# Altium PCB MOTHER_BOARD_LS1021_v1.0.PcbDoc (part 5 of 15)
Units mm, origin at the board's own origin, x right, y up, seen from the top; angles counter-clockwise.
Board outline 285 x 90.6 mm, 10 copper layers (TOP, GND1, SIGNAL1, GND+PWR1, POWER1, POWER2, GND+PWR2, SIGNAL2, GND2, BOTTOM), stack 1.739 mm thick; 1099 components, 832 nets, 4657 pads, 2737 vias.
Unrouted connection lines stored in the file: 7.
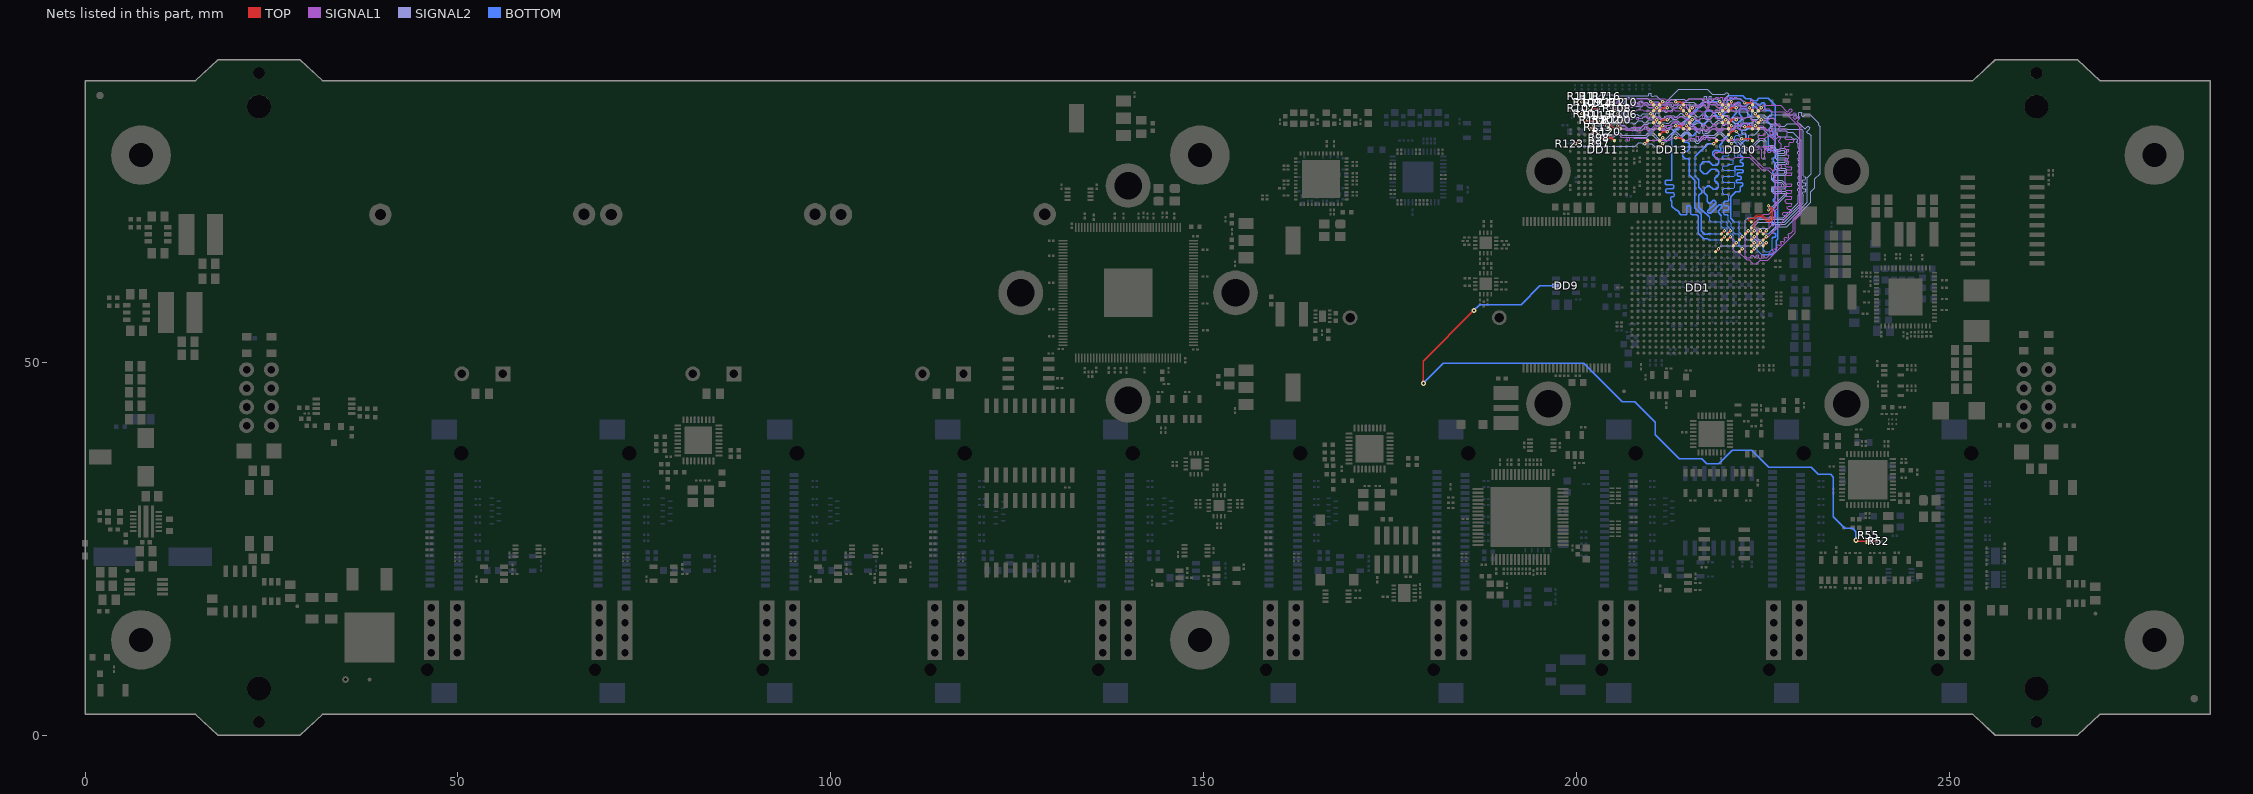
[diagram p13: the nets of this part, all layers, seen from the top]

## Via types
v1: diameter 0.45, hole 0.2, TOP to BOTTOM, tented both sides, 1587 vias
v2: diameter 0.7, hole 0.3, TOP to BOTTOM, tented both sides, 1134 vias
v3: diameter 0.45, hole 0.2, TOP to BOTTOM, tented bottom, 16 vias

## Nets (pads, with @x,y where several pads share a name; then routed paths per layer and width w, separated by ;. In a path a pad name is that pad's centre, name@x,y a point inside that pad or via, vN(x,y) a via of type N, cw(c..) or ccw(c..) an arc to the next point about the centre after c; other vN are vias at no path point) (continued)
DDR_A3: DD1.AC20 DD10.N2 DD11.N2 DD13.N2 R106.1 | length 63.1
  TOP w0.196: DD11.N2@205.9,82.15 v1(206.3,82.55) ; DD13.N2@215.15,82.15 v1(215.55,82.55) ; DD10.N2@224.4,82.15 v1(224.8,82.55) ; DD1.AC20@225.05,66.45 v1(225.45,66.85)
  SIGNAL1 w0.113: v1(206.3,82.55) 207.304,82.55 207.535,82.781 207.997,82.781 208.059,82.719 208.059,82.644 208.122,82.581 208.31,82.581 208.372,82.644 208.372,82.719 208.435,82.781 208.842,82.781 208.992,82.931 209.308,82.931 209.565,82.675 210.275,82.675 210.531,82.931 210.908,82.931 211.139,82.7 211.81,82.7 212.042,82.931 212.429,82.931 212.491,82.994 212.491,83.054 212.554,83.116 212.742,83.116 212.804,83.054 212.804,82.846 212.867,82.784 213.055,82.784 213.117,82.846 213.117,82.869 213.18,82.931 213.382,82.931 213.493,82.82 213.681,82.82 213.792,82.931 214.243,82.931 214.625,82.55 v1(215.55,82.55) 215.65,82.55 215.85,82.75 215.975,82.75 216.175,82.55 216.45,82.55 216.681,82.781 216.856,82.781 216.944,82.869 216.944,83.1 217.019,83.175 217.125,83.175 217.18,83.119 217.18,82.819 217.3,82.7 217.55,82.7 217.605,82.755 217.744,82.755 217.85,82.65 217.95,82.65 218.3,83 218.65,83 218.712,82.937 218.712,82.777 218.815,82.675 219.55,82.675 219.625,82.75 219.625,82.925 219.7,83 220.225,83 220.357,82.868 220.357,82.732 220.414,82.675 220.726,82.675 220.876,82.525 220.975,82.525 221.068,82.618 221.068,82.708 221.335,82.975 221.564,82.975 221.801,82.738 221.912,82.738 221.974,82.8 222.25,82.8 222.375,82.675 222.5,82.675 222.625,82.8 222.779,82.8 222.904,82.925 223.19,82.925 223.433,82.682 223.433,82.542 223.5,82.475 224.116,82.475 224.291,82.3 224.475,82.3 224.725,82.55 v1(224.8,82.55) 225.8,82.55 226.075,82.825 226.364,82.825 226.725,82.465 226.725,82.25 226.45,81.975 226.45,81.85 226.6,81.7 226.75,81.7 227.032,81.982 227.207,81.982 227.357,81.832 227.357,81.632 227.075,81.35 227.075,81.25 227.275,81.05 227.375,81.05 227.645,81.32 227.87,81.32 228.3,80.89 228.3,80.477 227.975,80.152 227.975,80 228.05,79.925 228.975,79.925 229.125,79.775 229.125,79.6 229.025,79.5 228.631,79.5 228.506,79.375 228.506,79.056 228.425,78.975 228.025,78.975 227.95,78.9 227.95,78.65 228.025,78.575 228.375,78.575 228.455,78.494 228.455,78.3 228.38,78.225 228.05,78.225 227.975,78.15 227.975,77.925 228.05,77.85 228.355,77.85 228.437,77.768 228.437,77.763 228.455,77.745 228.455,77.475 228.38,77.4 228.05,77.4 227.975,77.325 227.975,77.1 228.05,77.025 228.355,77.025 228.455,76.925 228.455,76.754 228.455,76.675 228.38,76.6 228.05,76.6 227.975,76.525 227.975,76.3 228.05,76.225 228.825,76.225 228.9,76.15 228.9,75.9 228.825,75.825 228.05,75.825 227.975,75.75 227.975,75.525 228.05,75.45 228.85,75.45 228.9,75.4 228.9,75.15 228.85,75.1 228.1,75.1 227.975,74.975 227.975,74.075 228.05,74 228.825,74 228.9,73.925 228.9,73.675 228.825,73.6 228.05,73.6 227.975,73.525 227.975,73.2 228.05,73.125 228.825,73.125 228.9,73.05 228.9,72.8 228.825,72.725 228.05,72.725 227.975,72.65 227.975,72.35 228.05,72.275 228.825,72.275 228.9,72.2 228.9,71.95 228.825,71.875 228.125,71.875 227.975,71.725 227.975,71.525 228.15,71.35 228.8,71.35 228.875,71.275 228.875,71.05 228.8,70.975 228.375,70.975 228.3,70.9 228.3,70.65 228.375,70.575 228.775,70.575 228.85,70.5 228.85,70.25 228.775,70.175 227.966,70.175 227.96,70.168 227.825,70.168 227.675,70.018 227.675,69.825 227.775,69.725 228.05,69.725 228.15,69.625 228.15,69.425 227.475,68.75 227.475,68.6 225.725,66.85 v1(225.45,66.85)
  BOTTOM w0.196: v1(206.3,82.55) R106.1@206.3,83
DDR_A4: DD1.AA20 DD10.P8 DD11.P8 DD13.P8 R107.1 | length 60.2
  TOP w0.196: v1(200.7,83.35) DD11.P8@201.1,82.95 ; v1(209.95,83.35) DD13.P8@210.35,82.95 ; v1(219.2,83.35) DD10.P8@219.6,82.95 ; DD1.AA20@223.45,66.45 v1(223.85,66.85)
  SIGNAL2 w0.113: v1(200.7,83.35) 201.725,83.35 202.106,82.968 202.458,82.968 202.564,83.075 202.805,83.075 202.867,83.012 202.867,82.922 202.93,82.859 203.118,82.859 203.18,82.922 203.18,83.075 203.243,83.137 203.431,83.137 203.493,83.075 203.81,83.075 203.917,82.968 204.243,82.968 204.575,83.3 205.01,83.3 205.342,82.968 205.658,82.968 206.015,83.325 206.585,83.325 206.942,82.968 207.258,82.968 207.564,83.275 208.185,83.275 208.342,83.118 208.658,83.118 208.889,83.35 v1(209.95,83.35) 210.118,83.518 210.25,83.518 210.35,83.418 210.35,83.225 210.43,83.144 210.569,83.144 210.65,83.225 210.65,83.443 210.725,83.518 210.956,83.518 211.125,83.35 211.125,83.026 211.376,82.775 211.725,82.775 211.85,82.9 211.85,83 211.95,83.1 213.035,83.1 213.235,82.9 213.415,82.9 213.964,83.45 214.11,83.45 214.592,82.968 214.908,82.968 215.414,83.475 215.685,83.475 216.192,82.968 216.508,82.968 216.914,83.375 217.21,83.375 217.617,82.968 217.943,82.968 218.5,83.525 219.025,83.525 v1(219.2,83.35)
  BOTTOM w0.149: v1(223.85,66.85) 223.85,66.65 224.25,66.25 224.25,65.081 224.856,64.475 224.94,64.475
  BOTTOM w0.196: v1(200.7,83.35) R107.1@200.7,83.825 ; v1(219.2,83.35) 219.2,84.075 219.775,84.65 219.775,85.1 220.425,85.75 222.3,85.75 222.712,85.337 223.366,85.337 223.577,85.127 224.175,85.127 224.448,85.4 225.75,85.4 226.673,84.477 226.673,79.325 226.6,79.252 226.6,78.75 227.025,78.325 227.025,66.605 226.775,66.355 226.775,65 226.25,64.475 224.94,64.475
DDR_A5: DD1.W20 DD10.P2 DD11.P2 DD13.P2 R108.1 | length 60.3
  TOP w0.196: v1(205.5,83.35) DD11.P2@205.9,82.95 ; v1(214.75,83.35) DD13.P2@215.15,82.95 ; DD1.W20@221.85,66.45 v1(222.25,66.85) ; v1(224,83.35) DD10.P2@224.4,82.95
  SIGNAL1 w0.113: v1(205.5,83.35) 205.705,83.555 206.73,83.555 206.906,83.731 207.258,83.731 207.371,83.618 207.908,83.618 208.171,83.881 208.85,83.881 209,83.731 210.952,83.731 211.014,83.794 211.014,83.829 211.077,83.891 211.265,83.891 211.327,83.829 211.327,83.794 211.39,83.731 211.578,83.731 211.64,83.794 211.64,83.811 211.703,83.873 211.891,83.873 211.953,83.811 211.953,83.672 212.016,83.609 212.204,83.609 212.266,83.672 212.266,83.731 212.324,83.789 212.522,83.789 212.579,83.731 212.579,83.672 212.642,83.609 212.83,83.609 212.892,83.672 212.892,83.828 212.955,83.891 213.143,83.891 213.205,83.828 213.205,83.794 213.268,83.731 214.368,83.731 v1(214.75,83.35) 215.81,83.35 216.235,83.775 216.6,83.775 216.756,83.618 217.193,83.618 217.306,83.731 217.978,83.731 217.988,83.742 217.988,83.731 218.051,83.794 218.239,83.794 218.301,83.731 218.301,83.521 218.364,83.459 218.552,83.459 218.614,83.521 218.614,83.804 218.677,83.867 218.865,83.867 218.927,83.804 218.927,83.794 218.99,83.731 219.178,83.731 219.24,83.794 219.24,83.929 219.303,83.991 219.491,83.991 219.553,83.929 219.553,83.521 219.616,83.459 219.804,83.459 219.866,83.521 219.866,83.669 219.929,83.731 220.117,83.731 220.179,83.669 220.179,83.596 220.242,83.534 220.43,83.534 220.492,83.596 220.492,83.979 220.555,84.041 220.743,84.041 220.805,83.979 220.805,83.794 220.868,83.731 221.6,83.731 221.743,83.875 222.85,83.875 222.993,83.731 223.618,83.731 v1(224,83.35)
  BOTTOM w0.149: 221.05,68.975 221.175,68.85 221.65,68.85 221.85,68.65 221.85,68.286 221.72,68.155 221.72,67.98 221.85,67.85 221.85,67.485 222.25,67.085 v1(222.25,66.85)
  BOTTOM w0.196: v1(205.5,83.35) R108.1@205.5,83.825 ; 221.05,68.975 220.702,69.323 220.702,72.227 221.375,72.9 221.825,72.9 221.95,73.025 221.95,73.504 222.084,73.638 222.197,73.638 222.331,73.772 222.331,73.95 222.197,74.084 221.55,74.084 221.416,74.218 221.416,74.396 221.55,74.53 221.97,74.53 222.104,74.664 222.104,74.842 221.97,74.976 221.705,74.976 221.571,75.11 221.571,75.288 221.705,75.422 222.247,75.422 222.381,75.556 222.381,75.734 222.247,75.868 221.391,75.868 221.257,76.002 221.257,76.18 221.391,76.314 222.247,76.314 222.381,76.448 222.381,76.626 222.247,76.76 222.084,76.76 221.95,76.894 221.95,77.072 222.084,77.206 222.176,77.206 222.31,77.34 222.31,77.518 222.176,77.652 222.084,77.652 221.95,77.786 221.95,78.175 222.1,78.325 222.35,78.325 222.45,78.425 222.45,78.65 222.325,78.775 222.075,78.775 221.95,78.9 221.95,79.169 222.75,79.969 222.75,80.475 222.65,80.575 222.3,80.575 222.175,80.7 222.175,81 222.3,81.125 222.673,81.125 222.973,81.425 223.45,81.425 223.55,81.525 223.55,81.95 223.45,82.05 222.402,82.05 222.002,81.65 221.825,81.65 221.625,81.85 221.625,82.075 222.175,82.625 222.175,82.975 221.8,83.35 221.8,83.825 222,84.025 222.675,84.025 222.973,83.727 222.973,83.102 223.125,82.95 223.4,82.95 223.5,83.05 223.5,83.775 223.623,83.898 223.623,84.173 223.8,84.35 224,84.35 224.225,84.125 224.225,83.6 224,83.375 v1(224,83.35)
DDR_A6: DD1.AB21 DD10.R8 DD11.R8 DD13.R8 R109.1 | length 60.8
  TOP w0.196: DD11.R8@201.1,83.75 v1(201.5,84.15) ; DD13.R8@210.35,83.75 v1(210.75,84.15) ; DD10.R8@219.6,83.75 v1(220,84.15) ; DD1.AB21@224.25,67.25 v1(224.65,67.65)
  SIGNAL2 w0.113: v1(201.5,84.15) 201.75,83.9 202.5,83.9 202.781,83.618 203.168,83.618 203.855,84.305 204.315,84.305 204.542,84.531 205.117,84.531 205.179,84.469 205.179,84.363 205.242,84.3 205.43,84.3 205.492,84.363 205.492,84.531 205.555,84.594 205.743,84.594 205.805,84.531 205.805,84.506 205.868,84.443 206.056,84.443 206.144,84.531 206.493,84.531 206.775,84.25 207.46,84.25 207.592,84.381 208.8,84.381 208.95,84.531 209.308,84.531 209.689,84.15 v1(210.75,84.15) 211.075,84.15 211.456,83.768 211.763,83.768 211.836,83.696 211.836,83.652 211.909,83.579 212.126,83.579 212.199,83.652 212.199,83.696 212.272,83.768 212.743,83.768 213.125,84.15 213.4,84.15 213.781,84.531 214.38,84.531 214.438,84.589 ; 214.438,84.573 214.51,84.646 214.728,84.646 214.801,84.573 214.801,84.07 214.873,83.997 215.091,83.997 215.163,84.07 215.163,84.459 215.236,84.531 215.708,84.531 216.014,84.225 216.685,84.225 216.992,84.531 217.225,84.531 217.298,84.459 217.298,84.254 217.371,84.181 217.588,84.181 217.661,84.254 217.661,84.604 217.734,84.677 217.951,84.677 218.097,84.531 218.568,84.531 218.95,84.15 v1(220,84.15) 220.275,84.15 220.656,83.768 221.025,83.768 221.159,83.634 222.791,83.634 223.456,82.968 224.193,82.968 224.425,83.2 225.21,83.2 225.442,82.968 225.758,82.968 225.984,83.194 229.425,83.194 229.479,83.14 229.479,82.876 229.534,82.822 229.788,82.822 229.842,82.876 229.842,83.513 229.897,83.567 230.151,83.567 230.205,83.513 230.205,83.088 230.26,83.034 230.514,83.034 230.568,83.088 230.568,83.14 230.623,83.194 231.38,83.194 232.462,82.112 232.462,81.812 232.675,81.6 232.675,75.325 231.975,74.625 231.975,73.425 231.425,72.875 231.425,71.475 228.175,68.225 226.75,68.225 225.793,67.268 225.031,67.268 v1(224.65,67.65)
  BOTTOM w0.196: v1(201.5,84.15) R109.1@201.5,84.625
DDR_A7: DD1.U20 DD10.R2 DD11.R2 DD13.R2 R110.1 | length 63.2
  TOP w0.196: DD11.R2@205.9,83.75 v1(206.3,84.15) ; DD13.R2@215.15,83.75 v1(215.55,84.15) ; DD1.U20@220.25,66.45 v1(220.65,66.85) ; DD10.R2@224.4,83.75 v1(224.8,84.15)
  SIGNAL1 w0.113: v1(206.3,84.15) 206.718,84.568 207.258,84.568 207.539,84.85 208.505,84.85 208.567,84.913 208.567,85.012 208.63,85.074 208.818,85.074 208.88,85.012 208.88,84.807 208.943,84.744 209.131,84.744 209.236,84.85 209.51,84.85 209.792,84.568 210.108,84.568 210.339,84.8 211.16,84.8 211.392,84.568 211.708,84.568 212.014,84.875 212.769,84.875 213.076,84.568 215.131,84.568 v1(215.55,84.15) 215.968,84.568 216.508,84.568 216.789,84.85 217.054,84.85 217.127,84.923 217.127,84.987 217.2,85.06 217.417,85.06 217.49,84.987 217.49,84.85 217.563,84.777 217.78,84.777 217.853,84.85 217.853,84.987 217.926,85.06 218.143,85.06 218.216,84.987 218.216,84.923 218.289,84.85 218.76,84.85 219.042,84.568 219.358,84.568 219.614,84.825 220.385,84.825 220.642,84.568 220.958,84.568 221.214,84.825 221.75,84.825 222.2,84.375 222.729,84.375 223.029,84.675 223.295,84.675 223.367,84.748 223.367,85.178 223.44,85.25 223.658,85.25 223.73,85.178 223.73,84.748 223.803,84.675 224.275,84.675 v1(224.8,84.15) 225.15,84.5 227.375,84.5 228.231,83.644 228.308,83.644 228.693,84.03 228.77,84.03 228.95,83.851 228.95,83.774 228.564,83.388 228.564,83.311 228.744,83.131 228.821,83.131 229.207,83.517 229.284,83.517 229.463,83.337 229.463,83.26 229.078,82.874 229.078,82.797 229.257,82.618 229.334,82.618 229.72,83.004 229.797,83.004 229.977,82.824 229.977,82.747 229.591,82.361 229.591,82.284 230.175,81.7 230.175,69.95 229.375,69.15 229.375,67.425 225.675,63.725 224.675,63.725 224.2,63.25 223.675,63.25 223.175,63.75 222.85,63.75 221.731,64.868 221.292,64.868 221.05,65.11 221.05,66.45 v1(220.65,66.85)
  BOTTOM w0.196: v1(206.3,84.15) R110.1@206.3,84.625
DDR_A8: DD1.T20 DD10.T8 DD11.T8 DD13.T8 R111.1 | length 60.2
  TOP w0.196: v1(200.7,84.95) DD11.T8@201.1,84.55 ; v1(209.95,84.95) DD13.T8@210.35,84.55 ; v1(219.2,84.95) DD10.T8@219.6,84.55 ; DD1.T20@219.45,66.45 v1(219.85,66.85)
  SIGNAL2 w0.113: v1(200.7,84.95) 201.675,84.95 202.093,84.531 202.806,84.531 203.675,85.4 205.025,85.4 205.275,85.15 205.7,85.15 205.95,85.4 206.692,85.4 206.754,85.463 206.754,85.516 206.817,85.578 207.005,85.578 207.067,85.516 207.067,85.4 207.13,85.337 207.318,85.337 207.38,85.4 207.38,85.516 207.443,85.578 207.631,85.578 207.693,85.516 207.693,85.463 207.756,85.4 209.5,85.4 v1(209.95,84.95) 211,84.95 211.381,84.568 211.945,84.568 212.708,85.331 214.429,85.331 214.592,85.168 214.908,85.168 215.09,85.35 216.791,85.35 216.853,85.287 216.853,85.212 216.916,85.149 217.104,85.149 217.166,85.212 217.166,85.62 217.229,85.682 217.417,85.682 217.479,85.62 217.479,85.212 217.542,85.149 217.73,85.149 217.792,85.212 217.792,85.62 217.855,85.682 218.043,85.682 218.105,85.62 218.105,85.212 218.168,85.149 218.356,85.149 218.418,85.212 218.418,85.287 218.481,85.35 218.8,85.35 v1(219.2,84.95)
  BOTTOM w0.149: 217.575,66.6 217.725,66.449 219.449,66.449 v1(219.85,66.85)
  BOTTOM w0.196: v1(200.7,84.95) R111.1@200.7,85.425 ; 212.73,71.676 212.728,71.676 212.8,71.604 212.8,70.975 213.368,70.407 213.544,70.407 213.776,70.175 213.776,69.999 213.987,69.787 214.697,69.787 214.806,69.897 214.806,70.875 214.916,70.984 215.243,70.984 215.352,70.875 215.352,69.897 215.462,69.787 216.162,69.787 216.35,69.6 216.35,67.325 217.075,66.6 217.575,66.6 ; 212.731,71.676 212.622,71.785 212.622,72.113 212.731,72.222 213.034,72.222 213.144,72.331 213.144,72.659 213.034,72.768 212.086,72.768 211.976,72.877 211.976,73.205 212.086,73.314 212.912,73.314 213.022,73.423 213.022,73.751 212.912,73.86 212.024,73.86 211.915,73.969 211.915,74.297 212.024,74.406 212.691,74.406 212.8,74.515 212.8,80.575 217.175,84.95 v1(219.2,84.95)
DDR_A9: DD1.Y21 DD10.R3 DD11.R3 DD13.R3 R112.1 | length 63.2
  TOP w0.196: v1(204.7,84.15) DD11.R3@205.1,83.75 ; v1(213.95,84.15) DD13.R3@214.35,83.75 ; DD1.Y21@222.65,67.25 v1(223.05,67.65) ; v1(223.2,84.15) DD10.R3@223.6,83.75
  SIGNAL1 w0.113: v1(204.7,84.15) 205.537,84.15 205.918,83.768 206.458,83.768 206.939,84.25 207.425,84.25 207.706,84.531 208.418,84.531 208.48,84.469 208.48,84.335 208.543,84.273 208.731,84.273 208.793,84.335 208.793,84.469 208.856,84.531 209.318,84.531 209.6,84.25 210.31,84.25 210.592,84.531 210.908,84.531 211.195,84.245 211.755,84.245 212.042,84.531 212.358,84.531 212.581,84.308 212.581,84.293 212.725,84.15 v1(213.95,84.15) 214.425,84.15 214.6,84.325 214.8,84.325 214.9,84.225 214.9,83.875 215.2,83.575 215.556,83.575 215.975,83.993 215.975,84.225 216.075,84.325 216.2,84.325 216.375,84.15 216.475,84.15 216.856,84.531 217.2,84.531 217.425,84.306 217.425,84.025 217.5,83.95 217.675,83.95 217.75,84.025 217.75,84.406 217.943,84.6 218.489,84.6 218.865,84.225 219.535,84.225 219.91,84.6 220.089,84.6 220.414,84.275 221.035,84.275 221.292,84.531 221.668,84.531 222.05,84.15 v1(223.2,84.15) 224.092,84.15 224.473,83.768 224.993,83.768 225.275,84.05 225.76,84.05 226.192,83.618 227.881,83.618 229.925,81.575 229.925,70.125 229.1,69.3 229.1,67.65 228.756,67.306 228.661,67.306 228.507,67.306 228.404,67.203 228.404,67.049 228.452,67.002 228.474,66.979 228.474,66.825 228.371,66.723 228.217,66.723 228.195,66.745 228.148,66.792 227.994,66.792 227.891,66.69 227.891,66.536 227.938,66.488 227.961,66.466 227.961,66.312 227.858,66.209 227.704,66.209 227.682,66.232 227.634,66.279 227.48,66.279 227.378,66.176 227.378,66.022 227.425,65.975 227.447,65.953 227.447,65.799 227.345,65.696 227.191,65.696 227.168,65.718 227.121,65.766 226.967,65.766 226.864,65.663 226.864,65.509 226.912,65.462 226.934,65.439 226.934,65.285 226.831,65.183 226.677,65.183 226.655,65.205 226.608,65.252 226.454,65.252 226.351,65.15 226.351,64.996 226.398,64.948 226.421,64.926 226.421,64.772 226.318,64.669 226.164,64.669 226.142,64.692 226.094,64.739 225.94,64.739 225.838,64.636 225.838,64.388 225.5,64.05 225.305,64.05 225.196,64.159 225.196,64.328 225.088,64.437 224.942,64.437 224.833,64.328 224.833,64.047 224.725,63.938 224.579,63.938 224.47,64.047 224.47,64.328 224.362,64.437 224.216,64.437 224.107,64.328 224.107,64.159 223.999,64.05 223.853,64.05 223.744,64.159 223.744,64.261 223.636,64.37 223.49,64.37 223.381,64.261 223.381,64.159 223.273,64.05 222.851,64.05 222.65,64.251 222.65,67.117 223.05,67.517 v1(223.05,67.65)
  BOTTOM w0.196: v1(204.7,84.15) R112.1@204.7,84.625
DDR_A10: DD1.AA19 DD10.L7 DD11.L7 DD13.L7 R113.1 | length 62.1
  TOP w0.196: DD11.L7@201.9,80.55 202.15,80.8 v1(202.95,80.8) ; DD13.L7@211.15,80.55 211.55,80.95 v1(212.2,80.95) ; DD10.L7@220.4,80.55 220.825,80.975 v1(221.45,80.975) ; DD1.AA19@223.45,65.65 v1(223.85,66.05)
  SIGNAL2 w0.113: v1(202.95,80.8) 203.481,81.331 206.543,81.331 206.719,81.155 208.755,81.155 208.95,81.35 209.128,81.35 209.19,81.413 209.19,81.537 209.253,81.6 209.441,81.6 209.503,81.537 209.503,81.193 209.566,81.13 209.754,81.13 209.816,81.193 209.816,81.287 209.879,81.35 210.067,81.35 210.129,81.287 210.129,81.275 210.192,81.213 210.38,81.213 210.442,81.275 210.442,81.413 210.505,81.475 210.693,81.475 210.818,81.35 211.8,81.35 v1(212.2,80.95) 212.581,81.331 212.757,81.331 212.82,81.269 212.82,81.187 212.883,81.124 213.07,81.124 213.133,81.187 213.133,81.269 213.196,81.331 213.412,81.331 213.509,81.235 213.696,81.235 213.759,81.298 213.759,81.499 213.822,81.562 214.009,81.562 214.072,81.499 214.072,81.394 214.135,81.331 214.635,81.331 214.698,81.269 214.698,81.187 214.761,81.124 214.948,81.124 215.011,81.187 215.011,81.439 215.074,81.502 215.261,81.502 215.324,81.439 215.324,81.394 215.387,81.331 215.793,81.331 216.375,80.75 216.555,80.75 216.617,80.813 216.617,81.093 216.68,81.156 216.868,81.156 216.93,81.093 216.93,80.712 216.993,80.649 217.181,80.649 217.282,80.75 217.625,80.75 218.225,81.35 221.075,81.35 221.856,80.568 222.222,80.568 222.304,80.651 222.304,80.704 222.387,80.787 222.635,80.787 222.717,80.704 222.717,79.782 222.8,79.7 223.048,79.7 223.13,79.782 223.13,80.486 223.213,80.568 223.887,80.568 224.418,81.1 224.418,81.108 224.642,81.331 224.958,81.331 225.996,80.293 226.474,80.293 226.556,80.376 226.556,80.796 226.639,80.878 226.887,80.878 226.969,80.796 226.969,80.376 227.052,80.293 228.756,80.293 229.136,79.914 229.253,79.914 229.367,80.028 229.484,80.028 229.659,79.852 229.659,79.736 229.545,79.622 229.545,79.505 229.725,79.325 229.725,78.788 229.808,78.705 229.821,78.705 229.903,78.623 229.903,78.375 229.821,78.292 229.725,78.292 229.644,78.212 229.644,77.96 229.725,77.879 229.821,77.879 229.903,77.797 229.903,77.549 229.821,77.466 229.808,77.466 229.725,77.384 229.725,77.136 229.808,77.053 229.821,77.053 229.903,76.971 229.903,76.723 229.821,76.64 229.808,76.64 229.725,76.558 229.725,76.31 229.808,76.227 229.821,76.227 229.903,76.145 229.903,75.897 229.821,75.814 229.808,75.814 229.725,75.732 229.725,75.484 229.808,75.401 229.821,75.401 229.903,75.319 229.903,75.071 229.821,74.988 229.808,74.988 229.725,74.906 229.725,74.658 229.808,74.575 229.821,74.575 229.903,74.493 229.903,74.245 229.821,74.162 229.725,74.162 229.644,74.082 229.644,73.83 229.725,73.749 229.821,73.749 229.903,73.667 229.903,73.419 229.821,73.337 229.725,73.337 229.644,73.256 229.644,73.004 229.725,72.924 229.821,72.924 229.903,72.841 229.903,72.593 229.821,72.511 229.808,72.511 229.725,72.428 229.725,71.45 227.7,69.425 223.025,69.425 222.65,69.05 222.65,66.65 222.831,66.468 223.306,66.468 223.725,66.05 v1(223.85,66.05)
  BOTTOM w0.196: v1(202.95,80.8) R113.1@202.95,81.275
DDR_A11: DD1.U21 DD10.R7 DD11.R7 DD13.R7 R114.1 | length 61.5
  TOP w0.196: DD11.R7@201.9,83.75 202.15,84 v1(202.95,84) ; DD13.R7@211.15,83.75 211.55,84.15 v1(212.2,84.15) ; DD1.U21@220.25,67.25 v1(220.65,67.65) ; DD10.R7@220.4,83.75 220.8,84.15 v1(221.45,84.15)
  SIGNAL2 w0.113: v1(202.95,84) 203.518,84.568 204.233,84.568 204.49,84.825 206.685,84.825 206.942,84.568 207.258,84.568 207.614,84.925 208.067,84.925 208.129,84.862 208.129,84.785 208.192,84.722 208.38,84.722 208.442,84.785 208.442,84.997 208.505,85.059 208.693,85.059 208.755,84.997 208.755,84.862 208.818,84.8 209.006,84.8 209.131,84.925 209.435,84.925 209.792,84.568 211.031,84.568 211.45,84.15 v1(212.2,84.15) 212.2,84.523 212.402,84.725 212.625,84.725 212.725,84.625 212.725,84.425 212.8,84.35 212.95,84.35 213.15,84.55 213.439,84.55 213.765,84.875 215.725,84.875 216.15,84.45 216.389,84.45 216.839,84.9 218.71,84.9 219.042,84.568 220.206,84.568 220.625,84.15 220.8,84.15 221.45,84.8 221.525,84.8 221.725,84.6 221.725,84.325 221.55,84.15 v1(221.45,84.15)
  BOTTOM w0.149: 219.45,69.5 219.45,69.575 ; 219.45,69.499 219.45,69.085 219.684,68.85 220.099,68.85 220.25,68.7 220.25,68.35 220.65,67.95 v1(220.65,67.65)
  BOTTOM w0.196: v1(202.95,84) R114.1@202.95,84.475 ; 219.45,69.575 219.45,69.675 219.003,70.122 219.003,70.298 219.499,70.793 219.499,70.969 219.323,71.144 219.148,71.144 218.564,70.561 217.986,69.983 217.811,69.983 217.636,70.158 217.636,70.333 218.678,71.376 218.678,71.552 218.503,71.727 218.328,71.727 217.951,71.35 217.775,71.35 217.537,71.587 217.537,72.362 217.125,72.775 217.125,73.275 217.575,73.725 217.8,73.725 218.325,73.2 218.75,73.2 219.025,73.475 219.025,73.925 218.575,74.375 218.575,74.725 219.075,75.225 219.075,75.55 218.725,75.9 218.1,75.9 217.475,75.275 217.075,75.275 216.577,75.773 216.577,76.475 217.013,76.911 217.788,76.911 218.25,76.45 218.8,76.45 219.1,76.75 219.1,77.1 218.311,77.888 218.311,78.213 218.573,78.475 218.925,78.475 219.075,78.325 219.25,78.325 219.375,78.45 219.375,78.7 219.211,78.863 219.211,79.113 219.562,79.464 219.562,79.712 220.425,80.575 220.425,80.7 221.275,81.55 221.275,82 220.8,82.475 220.8,82.752 221.45,83.402 v1(221.45,84.15)
DDR_A12: DD1.AA18 DD10.N7 DD11.N7 DD13.N7 R115.1 | length 62.1
  TOP w0.196: DD11.N7@201.9,82.15 202.15,82.4 v1(202.95,82.4) ; DD13.N7@211.15,82.15 211.55,82.55 v1(212.2,82.55) ; DD10.N7@220.4,82.15 220.8,82.55 v1(221.45,82.55) ; DD1.AA18@223.45,64.85 v1(223.85,65.25)
  SIGNAL2 w0.113: v1(202.95,82.4) 203.225,82.675 203.503,82.675 203.565,82.613 203.754,82.613 203.816,82.675 204.285,82.675 204.542,82.931 204.868,82.931 205.125,82.675 205.85,82.675 206.106,82.931 206.458,82.931 206.714,82.675 207.459,82.675 207.566,82.781 207.986,82.781 208.112,82.907 208.299,82.907 208.425,82.781 208.831,82.781 208.981,82.931 209.134,82.931 209.197,82.994 209.197,83.054 209.26,83.117 209.447,83.117 209.51,83.054 209.51,82.846 209.573,82.783 209.76,82.783 209.823,82.846 209.823,82.869 209.886,82.931 210.073,82.931 210.136,82.869 210.136,82.846 210.199,82.783 210.386,82.783 210.449,82.846 210.449,82.869 210.512,82.931 210.918,82.931 211.3,82.55 v1(212.2,82.55) 212.263,82.613 212.425,82.613 212.525,82.713 212.525,82.837 212.575,82.887 212.763,82.887 212.825,82.825 212.825,82.713 212.925,82.613 213.463,82.613 213.9,83.05 214.2,83.05 214.625,82.625 214.975,82.625 215.375,83.025 215.675,83.025 215.931,82.768 215.931,82.55 216.031,82.45 216.5,82.45 216.612,82.562 216.612,82.687 216.706,82.781 217.168,82.781 217.325,82.625 217.925,82.625 218.425,83.125 218.75,83.125 218.812,83.062 218.812,82.875 218.913,82.775 219.475,82.775 219.6,82.9 219.6,83.05 219.675,83.125 220.225,83.125 220.275,83.075 220.275,82.9 220.599,82.576 220.775,82.576 220.875,82.676 220.875,82.775 221,82.9 221.125,82.9 221.45,82.575 v1(221.45,82.55) 221.718,82.818 222.708,82.818 222.795,82.905 223.218,82.905 223.368,82.755 223.525,82.6 224.31,82.6 224.642,82.931 224.993,82.931 225.2,82.725 225.875,82.725 225.931,82.781 226.408,82.781 226.631,82.558 226.631,82.15 227.106,81.675 227.91,81.675 228.267,82.031 229.918,82.031 230.586,81.363 230.703,81.363 230.998,81.658 231.115,81.658 231.29,81.483 231.29,81.366 230.937,81.013 230.893,80.969 230.893,80.852 230.995,80.75 231.175,80.75 231.506,80.418 231.506,75.275 230.975,74.743 230.975,71.491 228.009,68.525 226.293,68.525 225.8,68.031 224.492,68.031 224.268,67.808 224.268,67.75 224.268,66.692 224.492,66.468 224.771,66.468 225.031,66.208 225.031,65.892 224.808,65.668 224.37,65.668 223.951,65.25 v1(223.85,65.25)
  BOTTOM w0.196: v1(202.95,82.4) R115.1@202.95,82.875
DDR_A13: DD1.T21 DD10.T3 DD11.T3 DD13.T3 R116.1 | length 61.5
  TOP w0.196: v1(204.075,84.95) 204.7,84.95 DD11.T3@205.1,84.55 ; v1(213.3,84.95) 213.95,84.95 DD13.T3@214.35,84.55 ; DD1.T21@219.45,67.25 v1(219.85,67.65) ; v1(222.55,84.8) 223.35,84.8 DD10.T3@223.6,84.55
  SIGNAL1 w0.113: v1(204.075,84.95) 205.067,84.95 205.129,84.887 205.129,84.659 205.192,84.597 205.38,84.597 205.442,84.659 205.442,84.95 205.505,85.013 205.693,85.013 205.755,84.95 205.755,84.692 205.818,84.629 206.006,84.629 206.068,84.692 206.068,84.887 206.131,84.95 206.425,84.95 206.85,85.375 211.85,85.375 212.025,85.2 213.05,85.2 v1(213.3,84.95) 214.689,84.95 215.114,85.375 218.626,85.375 218.688,85.438 218.688,85.528 218.751,85.591 218.939,85.591 219.001,85.528 219.001,85.438 219.064,85.375 219.252,85.375 219.314,85.438 219.314,85.528 219.377,85.591 219.565,85.591 219.627,85.528 219.627,85.147 219.69,85.084 219.878,85.084 219.94,85.147 219.94,85.528 220.003,85.591 220.191,85.591 220.253,85.528 220.253,85.302 220.316,85.239 220.504,85.239 220.566,85.302 220.566,85.528 220.629,85.591 220.817,85.591 220.879,85.528 220.879,85.375 220.942,85.312 221.13,85.312 221.192,85.375 221.192,85.528 221.255,85.591 221.443,85.591 221.505,85.528 221.505,85.438 221.568,85.375 221.975,85.375 v1(222.55,84.8)
  BOTTOM w0.149: 218.052,67.25 219.45,67.25 v1(219.85,67.65)
  BOTTOM w0.196: v1(204.075,84.95) R116.1@204.075,85.425 ; 218.052,67.25 217.671,67.25 217.621,67.2 217.2,67.2 216.75,67.65 216.75,69.875 215.85,70.775 215.85,74.452 215.125,75.177 215.125,77.202 215,77.327 214.575,77.327 214.225,77.677 214.225,77.9 214.6,78.275 214.8,78.275 215.1,78.575 215.1,79.327 214.902,79.525 214.6,79.525 214.15,79.975 214.15,80.375 214.575,80.8 214.925,80.8 215.312,80.412 215.637,80.412 216.15,80.925 216.15,81.25 215.725,81.675 215.725,82.075 216.025,82.375 216.4,82.375 216.85,81.925 217.15,81.925 217.612,82.387 217.612,82.712 217.25,83.075 217.25,83.575 217.525,83.85 218.025,83.85 218.948,82.927 219.375,82.927 220.125,83.677 220.423,83.975 220.423,84.325 220.25,84.498 220.25,84.998 220.625,85.373 221.977,85.373 v1(222.55,84.8)
DDR_A14: DD1.AC19 DD10.T7 DD11.T7 DD13.T7 R117.1 | length 60.2
  TOP w0.196: DD11.T7@201.9,84.55 v1(202.3,84.95) ; DD13.T7@211.15,84.55 v1(211.55,84.95) ; DD10.T7@220.4,84.55 v1(220.8,84.95) ; DD1.AC19@225.05,65.65 v1(225.45,66.05)
  SIGNAL2 w0.113: v1(202.3,84.95) 203.281,85.931 205.658,85.931 205.79,85.8 209.655,85.8 209.717,85.863 209.717,86.054 209.78,86.117 209.968,86.117 210.03,86.054 210.03,85.737 210.093,85.675 210.281,85.675 210.406,85.8 210.7,85.8 v1(211.55,84.95) 212.025,84.95 213.725,86.65 217.525,86.65 218.211,85.963 219.903,85.963 220.101,86.161 220.217,86.161 220.393,85.986 220.393,85.869 220.137,85.613 219.881,85.357 219.881,85.241 220.056,85.065 220.173,85.065 220.371,85.263 220.487,85.263 v1(220.8,84.95)
  BOTTOM w0.149: v1(225.45,66.05) 225.15,66.05 225.05,65.95 225.05,65.085 225.31,64.825 225.925,64.825 226.25,65.15 226.25,66.675
  BOTTOM w0.196: v1(202.3,84.95) R117.1@202.3,85.425 ; v1@220.75,84.9 220.75,84.475 220.85,84.375 221.077,84.375 221.602,84.9 221.825,84.9 221.962,84.762 221.962,84.487 222.073,84.377 222.725,84.377 223.173,84.825 224.05,84.825 224.375,84.5 224.552,84.5 224.625,84.573 224.648,84.573 224.9,84.825 225.125,84.825 225.275,84.675 225.275,83.95 225.452,83.773 225.979,83.773 226.2,83.552 226.2,83.15 226.05,83 225.85,83 225.575,82.725 225.575,82.373 226.075,81.873 226.075,81.575 225.827,81.327 225.827,81.125 225.927,81.025 226.25,81.025 226.375,80.9 226.375,80.6 226.275,80.5 225.825,80.5 225.7,80.375 225.7,78.6 225.85,78.45 226.325,78.45 226.673,78.102 226.673,77.6 226.375,77.302 226.375,76.998 226.673,76.7 226.673,75.9 226.35,75.577 226.35,75.3 226.6,75.05 226.6,74.904 226.35,74.654 226.35,74.45 226.675,74.125 226.675,73.602 226.35,73.277 226.35,73.05 226.673,72.727 226.673,72.081 226.4,71.808 226.4,71.654 226.729,71.325 226.729,71.025 226.479,70.775 226.479,70.396 226.725,70.15 226.729,70.15 226.729,69.554 226.625,69.45 226.35,69.45 226.25,69.35 226.25,68.7 226.362,68.587 226.612,68.587 226.729,68.471 226.729,67.954 226.6,67.825 226.375,67.825 226.25,67.7 226.25,67.425 226.375,67.3 226.625,67.3 226.725,67.2 226.725,66.9 226.625,66.8 226.375,66.8 226.25,66.675
DDR_A15: DD1.R18 DD10.M7 DD11.M7 DD13.M7 R118.1 | length 60.7
  TOP w0.196: DD11.M7@201.9,81.35 v1(202.3,81.75) ; DD13.M7@211.15,81.35 v1(211.55,81.75) ; DD1.R18@218.65,64.85 v1(219.05,65.25) ; DD10.M7@220.4,81.35 v1(220.8,81.75)
  SIGNAL2 w0.113: v1(202.3,81.75) 203.5,81.75 203.881,82.131 204.233,82.131 204.515,81.85 205.06,81.85 205.342,82.131 205.693,82.131 206,81.825 206.443,81.825 206.9,81.368 207.58,81.368 207.642,81.431 207.642,81.533 207.705,81.595 207.893,81.595 207.955,81.533 207.955,81.431 208.018,81.368 208.568,81.368 209.112,81.912 209.573,81.912 209.792,82.131 210.343,82.131 210.725,81.75 v1(211.55,81.75) 211.975,81.75 212.075,81.65 212.075,81.475 212.175,81.375 212.3,81.375 212.469,81.544 212.6,81.544 212.7,81.644 212.7,81.975 212.856,82.131 213.483,82.131 213.84,81.775 214.235,81.775 214.592,82.131 214.908,82.131 215.339,81.7 215.818,81.7 216.15,81.368 217.025,81.368 217.175,81.218 217.175,81.075 217.275,80.975 217.475,80.975 217.55,81.05 217.55,81.268 217.65,81.368 217.818,81.368 218.225,81.775 218.685,81.775 219.06,82.15 219.475,82.15 219.6,82.025 219.6,81.875 219.675,81.8 219.875,81.8 219.95,81.875 219.95,82.05 220.05,82.15 220.4,82.15 v1(220.8,81.75) 221.45,81.75 221.981,81.218 222.708,81.218 222.821,81.331 224.156,81.331 224.387,81.562 225.112,81.562 225.575,81.1 228.1,81.1 228.35,80.85 228.975,80.85 230.125,79.7 230.125,71.45 227.875,69.2 224.375,69.2 223.45,68.275 223.45,66.643 223.625,66.468 224.031,66.468 224.25,66.25 224.25,65.85 224.05,65.65 219.45,65.65 v1(219.05,65.25)
  BOTTOM w0.196: v1(202.3,81.75) R118.1@202.3,82.175
DDR_BA0: DD1.AC21 DD10.M2 DD11.M2 DD13.M2 R100.1 | length 63.2
  TOP w0.196: v1(205.5,81.75) DD11.M2@205.9,81.35 ; v1(214.75,81.75) DD13.M2@215.15,81.35 ; v1(224,81.75) DD10.M2@224.4,81.35 ; DD1.AC21@225.05,67.25 v1(225.45,67.65)
  SIGNAL1 w0.113: v1(205.5,81.75) 206.5,81.75 206.881,81.368 207.258,81.368 207.408,81.518 208.658,81.518 208.864,81.725 209.435,81.725 209.792,81.368 210.108,81.368 210.464,81.725 211.035,81.725 211.392,81.368 211.708,81.368 212.139,81.8 212.575,81.8 212.906,82.131 213.155,82.131 213.217,82.194 213.217,82.274 213.28,82.337 213.468,82.337 213.53,82.274 213.53,82.194 213.593,82.131 214.266,82.131 214.648,81.75 v1(214.75,81.75) 214.837,81.663 215.088,81.663 215.175,81.75 215.175,81.88 215.25,81.955 215.464,81.955 215.469,81.95 215.475,81.955 215.575,81.855 215.575,81.738 215.65,81.663 215.897,81.663 216.26,81.3 216.439,81.3 216.939,81.8 217.31,81.8 217.635,81.475 217.864,81.475 217.964,81.575 218.175,81.575 218.257,81.657 218.257,81.868 218.345,81.955 218.719,81.955 218.775,81.9 218.775,81.525 218.931,81.368 219.358,81.368 219.581,81.592 219.581,81.831 219.7,81.95 220.175,81.95 220.375,81.75 220.375,81.635 220.642,81.368 220.958,81.368 221.489,81.9 221.95,81.9 222.031,81.981 223.006,81.981 223.175,81.813 223.425,81.813 223.593,81.981 223.768,81.981 v1(224,81.75) 225,81.75 225.55,81.2 225.667,81.2 225.969,81.502 226.086,81.502 226.261,81.327 226.261,81.21 225.901,80.849 225.901,80.751 226.094,80.557 226.193,80.557 226.553,80.918 226.67,80.918 226.845,80.743 226.845,80.626 226.485,80.265 226.485,80.167 226.678,79.973 226.777,79.973 227.137,80.334 227.254,80.334 227.429,80.159 227.429,80.042 227.127,79.74 227.127,79.623 227.475,79.275 227.475,78.76 227.258,78.543 226.97,78.543 226.893,78.467 226.893,78.209 226.811,78.126 226.563,78.126 226.48,78.209 226.48,78.673 226.398,78.756 226.15,78.756 226.067,78.673 226.067,78.257 225.985,78.174 225.737,78.174 225.654,78.257 225.654,78.673 225.572,78.756 225.324,78.756 225.241,78.673 225.241,77.398 225.159,77.315 224.911,77.315 224.828,77.398 224.828,78.55 224.706,78.673 224.456,78.673 224.333,78.55 223.7,78.55 223.3,78.15 223.3,77.85 225.062,76.088 225.912,76.088 226.292,75.708 226.408,75.708 227.216,76.516 227.332,76.516 227.508,76.34 227.508,76.223 226.7,75.416 226.7,75.299 226.975,75.025 226.975,74.405 226.906,74.337 226.906,74.061 226.975,73.992 227.423,73.992 227.506,73.91 227.506,73.662 227.423,73.579 226.975,73.579 226.906,73.511 226.906,73.235 226.975,73.166 227.423,73.166 227.506,73.084 227.506,72.836 227.423,72.753 226.975,72.753 226.906,72.685 226.906,72.409 226.975,72.34 226.975,70.7 226.6,70.325 226.6,68.525 226.425,68.35 226.275,68.35 226.2,68.425 226.2,69.5 226.075,69.625 226,69.625 225.85,69.475 225.85,68.05 v1(225.45,67.65)
  BOTTOM w0.196: v1(205.5,81.75) R100.1@205.5,82.225
DDR_BA1: DD1.AA21 DD10.N8 DD11.N8 DD13.N8 R101.1 | length 60.8
  TOP w0.196: DD11.N8@201.1,82.15 v1(201.5,82.55) ; DD13.N8@210.35,82.15 v1(210.75,82.55) ; DD10.N8@219.6,82.15 v1(220,82.55) ; DD1.AA21@223.45,67.25 v1(223.85,67.65)
  SIGNAL2 w0.113: v1(201.5,82.55) 201.75,82.3 202.51,82.3 202.792,82.018 203.108,82.018 203.489,82.4 204.31,82.4 204.542,82.168 204.858,82.168 205.09,82.4 205.91,82.4 206.16,82.15 206.605,82.15 206.667,82.213 206.667,82.329 206.73,82.392 206.918,82.392 206.98,82.329 206.98,82.213 207.043,82.15 207.45,82.15 207.581,82.018 207.908,82.018 208.289,82.4 208.76,82.4 208.992,82.168 209.308,82.168 209.689,82.55 v1(210.75,82.55) 210.775,82.525 210.775,82.15 210.925,82 211.129,82 211.297,82.168 211.931,82.168 212.05,82.05 212.35,82.05 212.7,82.4 213.56,82.4 213.91,82.05 214.15,82.05 214.5,82.4 215.16,82.4 215.61,81.95 216.01,81.95 216.235,82.175 216.6,82.175 216.8,81.975 216.8,81.725 216.925,81.6 217.175,81.6 217.3,81.725 217.3,82.15 217.55,82.4 218,82.4 218.05,82.35 218.05,82.14 218.189,82 218.5,82 219,82.5 219.15,82.5 219.287,82.363 219.5,82.363 219.687,82.55 v1(220,82.55) 220.288,82.55 220.475,82.363 220.837,82.363 221.15,82.05 221.625,82.05 221.75,81.925 221.75,81.825 221.85,81.725 222,81.725 222.075,81.8 222.075,82.5 222.175,82.6 222.3,82.6 222.4,82.5 222.4,82.238 222.506,82.131 222.775,82.131 222.95,81.956 222.95,81.6 223,81.55 223.2,81.55 223.25,81.6 223.25,82.025 223.356,82.131 223.65,82.131 223.725,82.206 223.725,82.325 223.787,82.387 223.963,82.387 224.025,82.325 224.025,82.181 224.075,82.131 225.125,82.131 225.181,82.188 225.181,82.45 225.243,82.512 225.388,82.512 225.45,82.45 225.45,82.206 225.525,82.131 225.818,82.131 225.975,81.975 226.35,81.975 226.4,81.925 226.4,81.75 226.325,81.675 226.125,81.675 226.05,81.6 226.05,81.425 226.125,81.35 228.185,81.35 228.267,81.268 230.181,81.268 230.425,81.025 230.425,75.017 230.508,74.934 230.664,74.934 230.747,74.852 230.747,74.604 230.664,74.521 230.425,74.521 230.342,74.439 230.342,74.191 230.425,74.108 230.664,74.108 230.747,74.026 230.747,73.778 230.664,73.695 230.425,73.695 230.342,73.613 230.342,73.365 230.425,73.282 230.664,73.282 230.747,73.2 230.747,72.952 230.664,72.869 230.421,72.869 230.338,72.787 230.338,72.539 230.425,72.452 230.425,71.375 227.881,68.831 225.292,68.831 224.406,68.831 223.85,68.275 v1(223.85,67.65)
  BOTTOM w0.196: v1(201.5,82.55) R101.1@201.5,83.025
DDR_BA2: DD1.AB19 DD10.M3 DD11.M3 DD13.M3 R102.1 | length 64.5
  TOP w0.196: v1(204.075,81.75) 204.7,81.75 DD11.M3@205.1,81.35 ; v1(213.325,81.75) 213.95,81.75 DD13.M3@214.35,81.35 ; v1(222.55,81.6) 223.35,81.6 DD10.M3@223.6,81.35 ; DD1.AB19@224.25,65.65 v1(224.65,66.05)
  SIGNAL1 w0.113: v1(204.075,81.75) 204.7,81.75 205.118,81.331 205.625,81.331 205.687,81.269 205.687,81.222 205.75,81.16 205.938,81.16 206,81.222 206,81.269 206.063,81.331 206.47,81.331 206.646,81.155 207.367,81.155 207.397,81.126 ; 207.397,81.128 207.46,81.066 207.647,81.066 207.71,81.128 207.71,81.24 207.773,81.303 207.96,81.303 208.023,81.24 208.023,81.126 208.086,81.063 208.273,81.063 208.366,81.155 208.805,81.155 209,81.35 209.3,81.35 209.575,81.075 210.335,81.075 210.61,81.35 210.9,81.35 211.125,81.125 211.835,81.125 212.11,81.4 212.65,81.4 213,81.75 v1(213.325,81.75) 213.53,81.544 213.694,81.544 213.775,81.625 213.775,81.818 213.875,81.918 214.106,81.918 214.25,81.775 214.25,81.501 214.388,81.363 214.562,81.363 214.725,81.2 214.8,81.2 214.925,81.325 215.025,81.325 215.15,81.2 215.26,81.2 215.51,81.45 215.589,81.45 215.839,81.2 216.001,81.2 216.126,81.075 216.575,81.075 216.805,81.305 216.969,81.305 217.2,81.075 217.35,81.075 217.525,81.25 217.675,81.25 217.85,81.075 217.975,81.075 218.25,81.35 218.539,81.35 218.815,81.075 219.05,81.075 219.13,81.155 219.344,81.155 219.425,81.075 219.55,81.075 219.9,81.425 220.064,81.425 220.439,81.05 220.941,81.05 221.391,81.5 221.525,81.5 221.825,81.2 221.95,81.2 222.05,81.3 222.05,81.625 222.125,81.7 222.45,81.7 v1(222.55,81.6) 223.5,81.6 223.775,81.325 224.635,81.325 224.642,81.331 225.018,81.331 225.325,81.025 225.325,80.775 225.05,80.5 224.45,80.5 224.381,80.431 224.381,80.143 224.475,80.05 225.35,80.05 225.725,80.425 225.925,80.425 226.693,79.656 226.693,79.283 226.668,79.258 226.668,79.25 226.387,78.969 225.217,78.969 225.199,78.95 223.4,78.95 222.737,78.287 222.25,78.287 222.125,78.162 218.687,78.162 218.575,78.05 218.575,77.5 218.725,77.35 221.1,77.35 221.268,77.518 223.181,77.518 224.825,75.875 225.675,75.875 226.693,74.856 226.693,70.793 225.787,69.887 225.137,69.887 223.975,68.725 223.975,68.065 224.231,67.808 224.231,67.768 224.25,67.75 224.25,66.45 v1(224.65,66.05) ; v1@213.325,81.625 v1@213.325,81.718
  BOTTOM w0.196: v1(204.075,81.75) R102.1@204.075,82.225
DDR_CAS: DD1.W18 DD10.K3 DD11.K3 DD13.K3 R120.1 | length 62.1
  TOP w0.196: v1(204.075,80.15) 204.7,80.15 DD11.K3@205.1,79.75 ; v1(213.3,80.15) 213.95,80.15 DD13.K3@214.35,79.75 ; DD1.W18@221.85,64.85 v1(222.25,65.25) ; v1(222.15,80) 223.345,80 ; 223.35,80 DD10.K3@223.6,79.75
  SIGNAL1 w0.113: v1(204.075,80.15) 204.65,80.15 205.031,80.531 205.718,80.531 206.025,80.225 206.743,80.225 206.805,80.162 206.805,79.767 206.868,79.704 207.056,79.704 207.118,79.767 207.118,80.162 207.181,80.225 207.55,80.225 207.725,80.05 209.5,80.05 209.781,79.768 212.508,79.768 212.889,80.15 v1(213.3,80.15) 214.175,80.15 214.556,79.768 214.908,79.768 215.189,80.05 215.714,80.05 215.776,79.987 ; 215.737,80.05 215.839,79.948 ; 215.776,79.998 215.776,80 ; 215.776,80.01 215.839,79.948 ; 219.528,79.723 219.483,79.768 219.031,79.768 218.75,80.05 218.305,80.05 218.218,80.137 218.03,80.137 217.967,80.074 217.967,79.874 217.905,79.811 217.717,79.811 217.654,79.874 217.654,80.244 217.592,80.307 217.404,80.307 217.341,80.244 217.341,79.982 217.279,79.919 217.091,79.919 217.028,79.982 217.028,80.244 216.966,80.307 216.778,80.307 216.715,80.244 216.715,79.824 216.653,79.761 216.465,79.761 216.402,79.824 216.402,80.244 216.34,80.307 216.152,80.307 216.089,80.244 216.089,80.01 216.027,79.948 215.839,79.948 ; 219.528,79.731 219.528,79.761 ; 219.528,79.768 219.591,79.706 219.779,79.706 219.841,79.768 219.841,79.938 219.904,80 220.092,80 220.154,79.938 220.154,79.726 220.217,79.664 220.405,79.664 220.51,79.768 221.25,79.768 221.481,80 v1(222.15,80)
  BOTTOM w0.149: 220.325,69.7 220.325,69.075 220.775,68.625 220.775,68.225 221.05,67.95 221.05,67.485 221.285,67.25 221.449,67.25 221.45,67.249 221.615,67.249 221.849,67.015 221.849,65.65 v1(222.25,65.25) ; 220.4,71.95 220.4,72.375 220.2,72.575 219.75,72.575 219.625,72.7 219.625,73.15 219.825,73.35 221.05,73.35 221.22,73.52 221.22,74.005 221.075,74.15 219.75,74.15 219.625,74.275 219.625,74.775 219.799,74.949 220.674,74.949 220.675,74.95 221.1,74.95 221.275,75.125 221.275,75.575 221.1,75.75 219.8,75.75 219.625,75.925 219.625,76.275 219.725,76.375 220.3,76.375 220.475,76.55 220.9,76.55 221.027,76.677 221.027,77.073 220.925,77.175 220.55,77.175 220.375,77.349 219.65,77.349 219.6,77.4 219.6,77.65 219.675,77.725 220.325,77.725 220.4,77.8 220.4,78.025 220.3,78.125 219.925,78.125 219.725,78.325 219.725,78.7 219.925,78.9 220.925,78.9 221.2,78.625 221.2,77.625 221.3,77.525 221.55,77.525 221.675,77.65 221.675,79.05 221.2,79.525 221.2,80.275 221.425,80.5 221.675,80.5 222.15,80.025 v1(222.15,80)
  BOTTOM w0.196: v1(204.075,80.15) R120.1@204.075,80.625 ; 220.325,69.7 220.2,69.825 219.846,69.825 219.746,69.925 219.746,70.325 219.846,70.425 220.275,70.425 220.4,70.55 220.4,70.875 220.25,71.025 219.85,71.025 219.75,71.125 219.75,71.45 219.9,71.6 220.275,71.6 220.4,71.725 220.4,71.95
DDR_CK_N: DD1.AA23 DD10.K7 DD11.K7 DD13.K7 R98.1 | length 60.8
  TOP w0.12: DD11.K7@201.9,79.75 v1(202.3,80.15) ; DD13.K7@211.15,79.75 v1(211.55,80.15) ; DD10.K7@220.4,79.75 v1(220.8,80.15) ; DD1.AA23@223.45,68.85 223.325,68.85 223.125,69.05 223.125,69.2 223.262,69.337 223.712,69.337 224.17,69.795 224.916,69.795 225.586,69.125 225.975,69.125 226.125,69.275 226.125,70.55 226.075,70.6 225.902,70.6 v1(225.75,70.447)
  SIGNAL2 w0.075: v1(202.3,80.15) 202.572,79.877 202.767,79.877 203.657,80.767 204.331,80.767 204.543,80.555 204.969,80.555 205.269,80.855 205.745,80.855 206.12,80.48 209.319,80.48 209.639,80.8 210.277,80.8 211.2,79.877 211.277,79.877 v1(211.55,80.15) 211.822,79.877 211.942,79.877 212.994,80.93 213.393,80.93 213.923,80.4 214.014,80.4 214.544,80.93 215.006,80.93 215.367,80.568 215.367,80.082 215.45,80 215.875,80 216.2,79.675 216.264,79.675 217.044,80.455 218.494,80.455 218.994,80.955 219.372,80.955 220.45,79.877 220.527,79.877 v1(220.8,80.15) 221.072,79.877 221.733,79.877 222.811,78.8 223.275,78.8 224.555,80.08 225.056,80.08 225.45,79.686 225.45,78.825 225.525,78.75 225.639,78.75 226.019,79.13 226.431,79.13 226.675,78.886 226.675,78.755 226.825,78.605 227.244,78.605 227.344,78.705 227.906,78.705 228.175,78.436 228.175,78.014 227.931,77.77 227.031,77.77 226.95,77.689 226.95,77.5 227,77.45 228.086,77.45 228.28,77.256 228.28,76.769 228.086,76.575 227,76.575 226.875,76.45 226.875,76.175 226.995,76.055 227.981,76.055 228.205,75.831 228.205,75.369 227.911,75.075 226.525,75.075 226.45,75 226.45,74.6 226.62,74.43 227.556,74.43 228.13,73.856 228.13,73.544 227.886,73.3 226.525,73.3 226.45,73.225 226.45,73.036 226.506,72.98 228.031,72.98 228.23,72.781 228.23,72.494 226.331,70.595 225.897,70.595 v1(225.75,70.447)
  BOTTOM w0.12: v1(202.3,80.15) R98.1@202.775,80.15
DDR_CK_P: DD1.AA22 DD10.J7 DD11.J7 DD13.J7 R97.1 | length 60.7
  TOP w0.12: DD11.J7@201.9,78.95 v1(202.3,79.35) ; DD13.J7@211.15,78.95 v1(211.55,79.35) ; DD10.J7@220.4,78.95 v1@220.8,79.35 ; DD1.AA22@223.45,68.05 223.7,68.05 223.815,68.165 223.815,69.129 224.261,69.575 224.825,69.575 225.495,68.905 226.066,68.905 226.345,69.184 226.345,70.641 226.141,70.845 225.902,70.845 v1(225.75,70.997)
  SIGNAL2 w0.075: v1(202.3,79.35) 202.572,79.622 202.872,79.622 203.762,80.512 204.225,80.512 204.438,80.3 205.075,80.3 205.375,80.6 205.639,80.6 206.014,80.225 209.425,80.225 209.745,80.545 210.172,80.545 211.094,79.622 211.277,79.622 v1(211.55,79.35) 211.822,79.622 212.047,79.622 213.1,80.675 213.288,80.675 213.818,80.145 214.12,80.145 214.65,80.675 214.9,80.675 215.112,80.462 215.112,79.977 215.344,79.745 215.769,79.745 216.094,79.42 216.37,79.42 216.475,79.525 217.15,80.2 218.6,80.2 219.1,80.7 219.267,80.7 220.344,79.622 220.527,79.622 v1(220.8,79.35) 221.072,79.622 221.627,79.622 222.58,78.67 222.704,78.545 223.381,78.545 224.661,79.825 224.95,79.825 225.195,79.58 225.195,78.719 225.419,78.495 225.745,78.495 226.125,78.875 226.325,78.875 226.42,78.78 226.42,78.649 226.719,78.35 227.35,78.35 227.45,78.45 227.8,78.45 227.92,78.33 227.92,78.12 227.825,78.025 226.925,78.025 226.695,77.795 226.695,77.394 226.894,77.195 227.98,77.195 228.025,77.15 228.025,76.875 227.98,76.83 226.894,76.83 226.62,76.556 226.62,76.069 226.889,75.8 227.875,75.8 227.95,75.725 227.95,75.475 227.805,75.33 226.419,75.33 226.195,75.106 226.195,74.48 226.5,74.175 227.45,74.175 227.875,73.75 227.875,73.65 227.78,73.555 226.419,73.555 226.195,73.331 226.195,72.93 226.4,72.725 227.925,72.725 227.975,72.675 227.975,72.6 226.225,70.85 225.897,70.85 v1(225.75,70.997)
  BOTTOM w0.12: v1(202.3,79.35) R97.1@202.775,79.35
DDR_CKE0: DD1.V19 DD10.K9 DD11.K9 DD13.K9 R123.1 | length 40.5
  TOP w0.196: v1(199.9,79.35) DD11.K9@200.3,79.75 ; v1(209.15,79.35) DD13.K9@209.55,79.75 ; v1(218.4,79.35) DD10.K9@218.8,79.75 ; DD1.V19@221.05,65.65 v1(221.45,66.05)
  SIGNAL2 w0.113: v1(199.9,79.35) 200.281,78.968 207.868,78.968 208.375,79.475 208.725,79.475 208.85,79.35 v1(209.15,79.35) 210.075,79.35 210.475,78.95 217.137,78.95 217.493,79.306 218.356,79.306 v1(218.4,79.35)
  BOTTOM w0.149: 215.95,77.65 215.95,74.95 216.225,74.675 ; 217.75,69.575 217.85,69.474 217.85,69.085 218.084,68.85 218.474,68.85 ; 218.475,68.85 218.9,68.85 ; 218.9,68.849 219.215,68.849 219.449,68.615 219.449,68.3 219.45,68.299 219.45,68.285 219.684,68.05 219.699,68.05 219.7,68.049 220.1,68.049 220.25,67.899 220.25,67.424 220.425,67.25 220.75,67.25 ; 220.751,67.249 220.815,67.249 221.05,67.014 221.05,66.449 v1(221.45,66.05)
  BOTTOM w0.196: R123.1@199.425,79.35 v1(199.9,79.35) ; 215.95,77.65 217.65,79.35 v1(218.4,79.35) ; 216.225,74.675 216.425,74.475 216.425,73.473 216.773,73.125 216.773,72.775 216.425,72.427 216.425,70.827 216.875,70.377 216.948,70.377 217.75,69.575
DDR_CLK: DD9.2 R52.1 R55.1 | length 103
  TOP w0.196: v2(179.475,47.225) 179.475,50.191 v2(186.256,56.972) ; v2@237.48,26.158 v2(237.487,26.151) 237.613,26.025 R55.1@239.2,26.025 R52.1@240.25,26.025
  BOTTOM w0.196: v2(179.475,47.225) 182.138,49.888 200.991,49.888 206.174,44.705 207.845,44.705 210.581,41.969 210.581,40.298 213.777,37.101 216.792,37.101 217.464,36.429 219.104,36.429 220.925,38.25 223.515,38.25 225.79,35.975 231.475,35.975 232.45,35 234.07,35 234.435,34.635 234.435,29.302 235.995,27.741 237.049,27.741 237.487,27.304 v2(237.487,26.151) ; v2(186.256,56.972) 187.054,57.77 192.599,57.77 195.104,60.275 DD9.2@197.25,60.275